# Altium PCB NZPP.PcbDoc (part 2 of 3)
Units mm, origin at the board's own origin, x right, y up, seen from the top; angles counter-clockwise.
Board outline 217.7 x 106.4 mm, 2 copper layers (Top Layer, Bottom Layer), stack 1.571 mm thick; 164 components, 125 nets, 738 pads, 4270 vias.
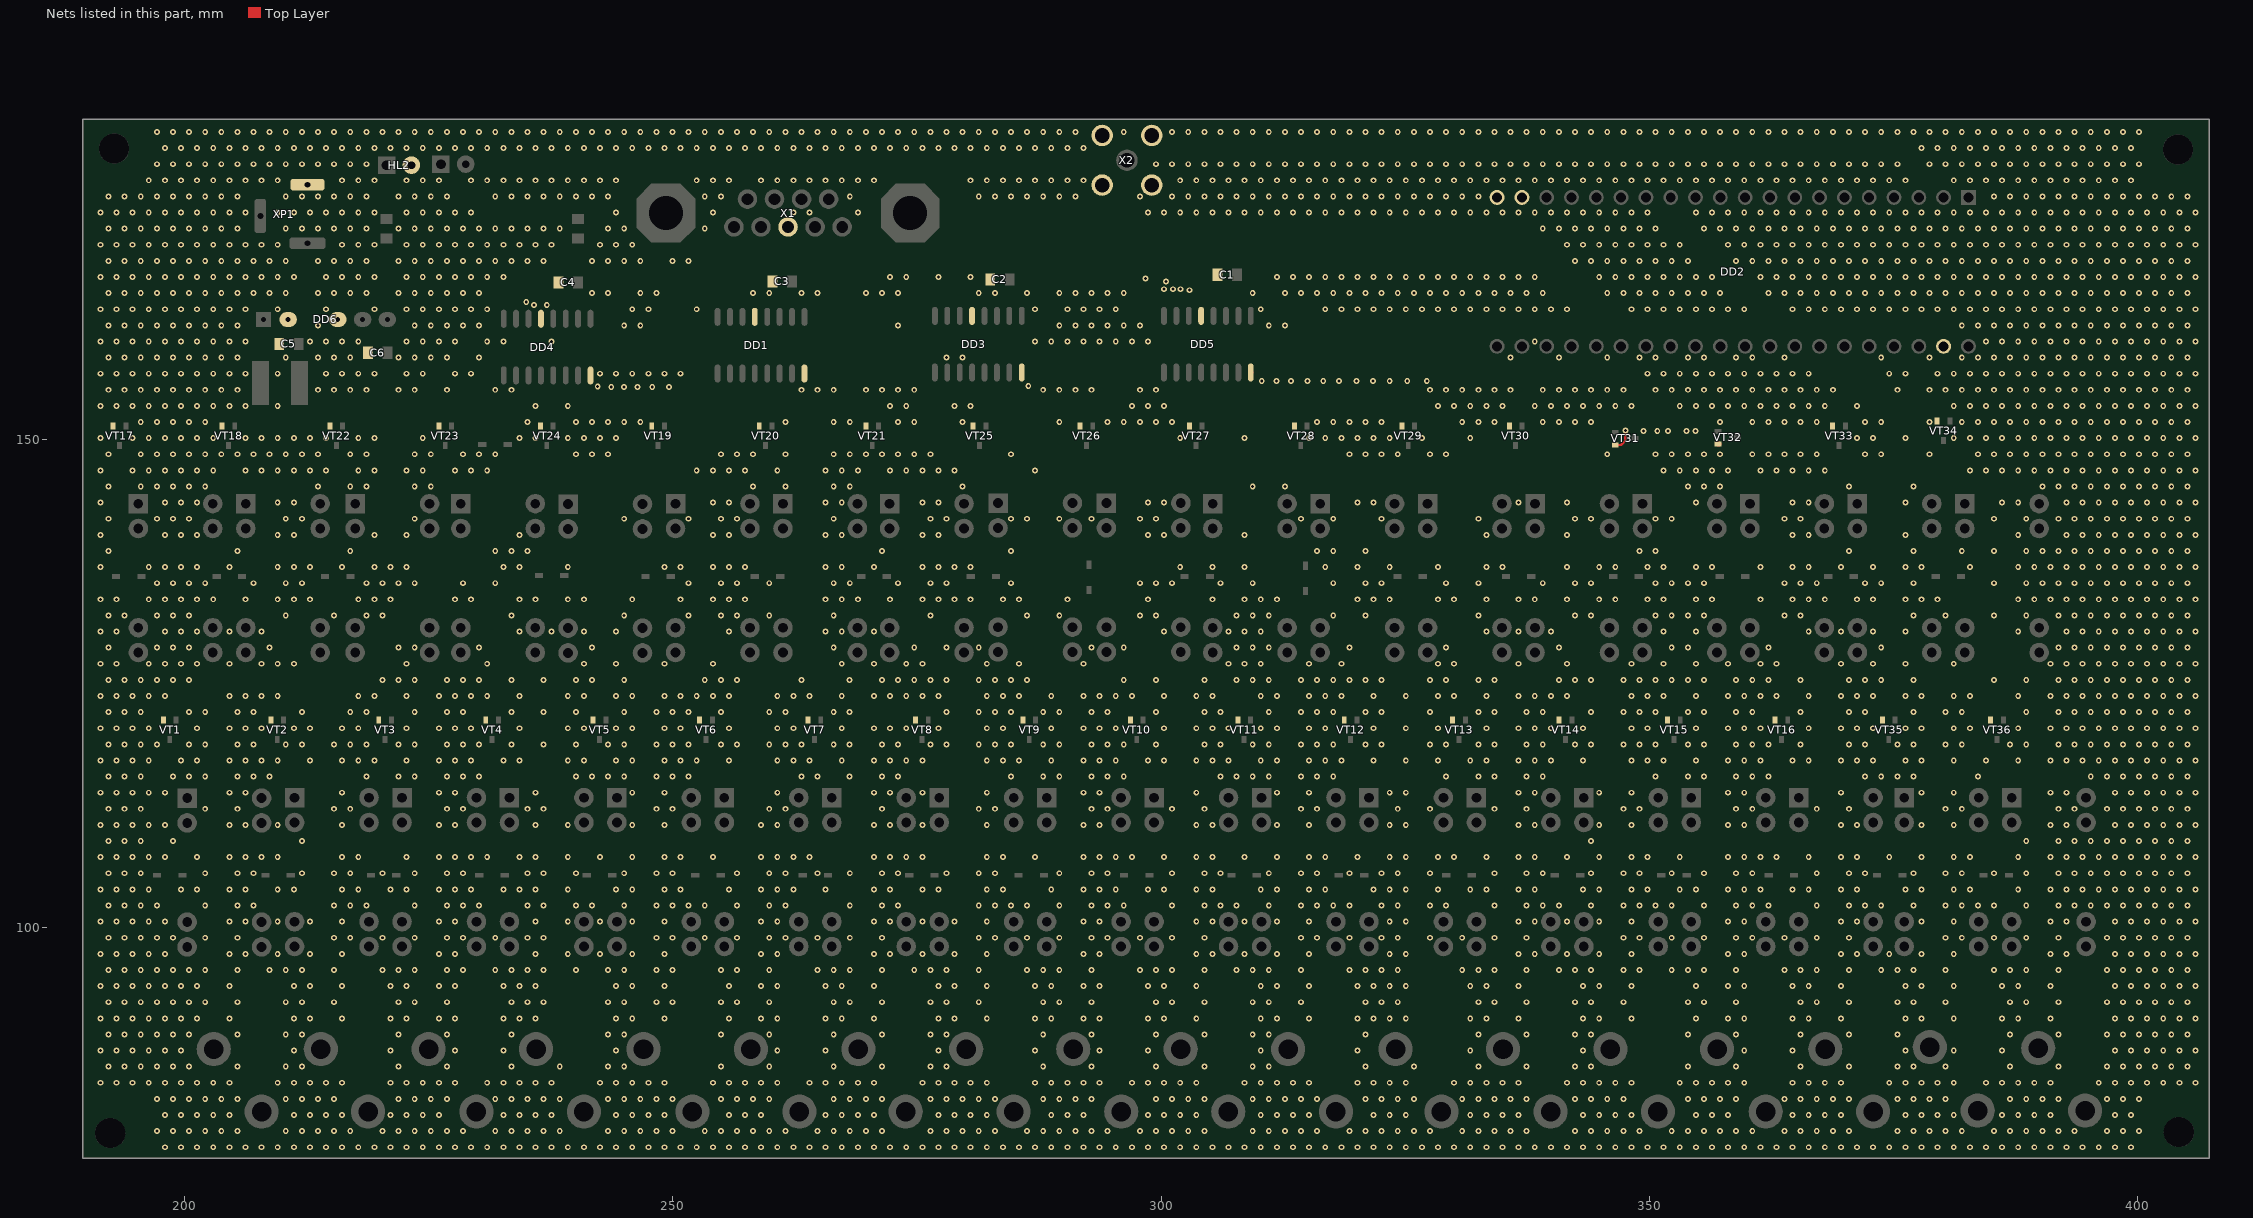
[diagram p2: the nets of this part, all layers, seen from the top]

## Via types
v1: diameter 0.6, hole 0.3, Top Layer to Bottom Layer, tented both sides, 4188 vias
v2: diameter 1.27, hole 0.711, Top Layer to Bottom Layer, tented both sides, 80 vias
v3: diameter 1.27, hole 0.711, Top Layer to Bottom Layer, 2 vias

## Nets (pads, with @x,y where several pads share a name; then routed paths per layer and width w, separated by ;. In a path a pad name is that pad's centre, name@x,y a point inside that pad or via, vN(x,y) a via of type N, cw(c..) or ccw(c..) an arc to the next point about the centre after c; other vN are vias at no path point) (continued)
GND: (continued)
  other v1: 198,77.55 199.65,77.55 201.3,77.55 202.95,77.55 204.6,77.55 206.25,77.55 207.9,77.55 209.55,77.55 211.2,77.55 212.85,77.55 214.5,77.55 216.15,77.55 217.8,77.55 219.45,77.55 221.1,77.55 222.75,77.55 224.4,77.55 226.05,77.55 227.7,77.55 229.35,77.55 231,77.55 232.65,77.55 234.3,77.55 235.95,77.55 237.6,77.55 239.25,77.55 240.9,77.55 242.55,77.55 244.2,77.55 245.85,77.55 247.5,77.55 249.15,77.55 250.8,77.55 252.45,77.55 254.1,77.55 255.75,77.55 257.4,77.55 259.05,77.55 260.7,77.55 262.35,77.55 264,77.55 265.65,77.55 267.3,77.55 268.95,77.55 270.6,77.55 272.25,77.55 273.9,77.55 275.55,77.55 277.2,77.55 278.85,77.55 280.5,77.55 282.15,77.55 283.8,77.55 285.45,77.55 287.1,77.55 288.75,77.55 290.4,77.55 292.05,77.55 293.7,77.55 295.35,77.55 297,77.55 298.65,77.55 300.3,77.55 301.95,77.55 303.6,77.55 305.25,77.55 306.9,77.55 308.55,77.55 310.2,77.55 311.85,77.55 313.5,77.55 315.15,77.55 316.8,77.55 318.45,77.55 320.1,77.55 321.75,77.55 323.4,77.55 325.05,77.55 326.7,77.55 328.35,77.55 330,77.55 331.65,77.55 333.3,77.55 334.95,77.55 336.6,77.55 338.25,77.55 339.9,77.55 341.55,77.55 343.2,77.55 344.85,77.55 346.5,77.55 348.15,77.55 349.8,77.55 351.45,77.55 353.1,77.55 354.75,77.55 356.4,77.55 358.05,77.55 359.7,77.55 361.35,77.55 363,77.55 364.65,77.55 366.3,77.55 367.95,77.55 369.6,77.55 371.25,77.55 372.9,77.55 374.55,77.55 376.2,77.55 377.85,77.55 379.5,77.55 381.15,77.55 382.8,77.55 384.45,77.55 386.1,77.55 387.75,77.55 389.4,77.55 391.05,77.55 392.7,77.55 394.35,77.55 396,77.55 397.65,77.55 399.3,77.55 197.175,79.2 198.825,79.2 200.475,79.2 202.125,79.2 203.775,79.2 205.425,79.2 210.375,79.2 212.025,79.2 213.675,79.2 215.325,79.2 216.975,79.2 220.275,79.2 221.925,79.2 223.575,79.2 225.225,79.2 226.875,79.2 228.525,79.2 231.825,79.2 233.475,79.2 235.125,79.2 236.775,79.2 238.425,79.2 243.375,79.2 245.025,79.2 246.675,79.2 248.325,79.2 249.975,79.2 253.275,79.2 254.925,79.2 256.575,79.2 258.225,79.2 259.875,79.2 261.525,79.2 264.825,79.2 266.475,79.2 268.125,79.2 269.775,79.2 271.425,79.2 276.375,79.2 278.025,79.2 279.675,79.2 281.325,79.2 282.975,79.2 286.275,79.2 287.925,79.2 289.575,79.2 291.225,79.2 292.875,79.2 294.525,79.2 297.825,79.2 299.475,79.2 301.125,79.2 302.775,79.2 304.425,79.2 309.375,79.2 311.025,79.2 312.675,79.2 314.325,79.2 315.975,79.2 319.275,79.2 320.925,79.2 322.575,79.2 324.225,79.2 325.875,79.2 327.525,79.2 330.825,79.2 332.475,79.2 334.125,79.2 335.775,79.2 337.425,79.2 342.375,79.2 344.025,79.2 345.675,79.2 347.325,79.2 348.975,79.2 352.275,79.2 353.925,79.2 355.575,79.2 357.225,79.2 358.875,79.2 360.525,79.2 363.825,79.2 365.475,79.2 367.125,79.2 368.775,79.2 370.425,79.2 375.375,79.2 377.025,79.2 378.675,79.2 380.325,79.2 381.975,79.2 385.275,79.2 386.925,79.2 388.575,79.2 390.225,79.2 391.875,79.2 393.525,79.2 396.825,79.2 398.475,79.2 400.125,79.2 198,80.85 199.65,80.85 201.3,80.85 202.95,80.85 204.6,80.85 211.2,80.85 212.85,80.85 214.5,80.85 216.15,80.85 221.1,80.85 222.75,80.85 224.4,80.85 226.05,80.85 232.65,80.85 234.3,80.85 235.95,80.85 237.6,80.85 244.2,80.85 245.85,80.85 247.5,80.85 249.15,80.85 255.75,80.85 257.4,80.85 259.05,80.85 265.65,80.85 267.3,80.85 268.95,80.85 270.6,80.85 277.2,80.85 278.85,80.85 280.5,80.85 282.15,80.85 288.75,80.85 290.4,80.85 292.05,80.85 298.65,80.85 300.3,80.85 301.95,80.85 303.6,80.85 310.2,80.85 311.85,80.85 313.5,80.85 315.15,80.85 321.75,80.85 323.4,80.85 325.05,80.85 331.65,80.85 333.3,80.85 334.95,80.85 336.6,80.85 343.2,80.85 344.85,80.85 346.5,80.85 348.15,80.85 354.75,80.85 356.4,80.85 358.05,80.85 364.65,80.85 366.3,80.85 367.95,80.85 369.6,80.85 376.2,80.85 377.85,80.85 379.5,80.85 381.15,80.85 386.1,80.85 387.75,80.85 389.4,80.85 391.05,80.85 397.65,80.85 399.3,80.85 197.175,82.5 198.825,82.5 200.475,82.5 202.125,82.5 203.775,82.5 205.425,82.5 210.375,82.5 212.025,82.5 213.675,82.5 215.325,82.5 221.925,82.5 223.575,82.5 225.225,82.5 226.875,82.5 231.825,82.5 233.475,82.5 235.125,82.5 236.775,82.5 238.425,82.5 243.375,82.5 245.025,82.5 246.675,82.5 248.325,82.5 249.975,82.5 254.925,82.5 256.575,82.5 258.225,82.5 259.875,82.5 266.475,82.5 268.125,82.5 269.775,82.5 271.425,82.5 276.375,82.5 278.025,82.5 279.675,82.5 281.325,82.5 282.975,82.5 287.925,82.5 289.575,82.5 291.225,82.5 292.875,82.5 299.475,82.5 301.125,82.5 302.775,82.5 304.425,82.5 309.375,82.5 311.025,82.5 312.675,82.5 314.325,82.5 315.975,82.5 320.925,82.5 322.575,82.5 324.225,82.5 325.875,82.5 330.825,82.5 332.475,82.5 334.125,82.5 335.775,82.5 337.425,82.5 342.375,82.5 344.025,82.5 345.675,82.5 347.325,82.5 353.925,82.5 355.575,82.5 357.225,82.5 358.875,82.5 363.825,82.5 365.475,82.5 367.125,82.5 368.775,82.5 370.425,82.5 375.375,82.5 377.025,82.5 378.675,82.5 380.325,82.5 386.925,82.5 388.575,82.5 390.225,82.5 391.875,82.5 396.825,82.5 398.475,82.5 400.125,82.5 191.4,84.15 193.05,84.15 194.7,84.15 196.35,84.15 198,84.15 199.65,84.15 201.3,84.15 202.95,84.15 204.6,84.15 209.55,84.15 211.2,84.15 212.85,84.15 214.5,84.15 216.15,84.15 221.1,84.15 222.75,84.15 224.4,84.15 226.05,84.15 227.7,84.15 231,84.15 232.65,84.15 234.3,84.15 235.95,84.15 237.6,84.15 242.55,84.15 244.2,84.15 245.85,84.15 247.5,84.15 249.15,84.15 254.1,84.15 255.75,84.15 257.4,84.15 259.05,84.15 260.7,84.15 264,84.15 265.65,84.15 267.3,84.15 268.95,84.15 270.6,84.15 275.55,84.15 277.2,84.15 278.85,84.15 280.5,84.15 282.15,84.15 287.1,84.15 288.75,84.15 290.4,84.15 292.05,84.15 293.7,84.15 297,84.15 298.65,84.15 300.3,84.15 301.95,84.15 303.6,84.15 308.55,84.15 310.2,84.15 311.85,84.15 313.5,84.15 315.15,84.15 320.1,84.15 321.75,84.15 323.4,84.15 325.05,84.15 330,84.15 331.65,84.15 333.3,84.15 334.95,84.15 336.6,84.15 341.55,84.15 343.2,84.15 344.85,84.15 346.5,84.15 348.15,84.15 353.1,84.15 354.75,84.15 356.4,84.15 358.05,84.15 359.7,84.15 364.65,84.15 366.3,84.15 367.95,84.15 369.6,84.15 374.55,84.15 376.2,84.15 377.85,84.15 379.5,84.15 381.15,84.15 384.45,84.15 386.1,84.15 387.75,84.15 389.4,84.15 391.05,84.15 396,84.15 397.65,84.15 399.3,84.15 400.95,84.15 402.6,84.15 404.25,84.15 405.9,84.15 192.225,85.8 193.875,85.8 195.525,85.8 197.175,85.8 198.825,85.8 200.475,85.8 205.425,85.8 210.375,85.8 212.025,85.8 221.925,85.8 226.875,85.8 233.475,85.8 238.425,85.8 243.375,85.8 245.025,85.8 254.925,85.8 259.875,85.8 266.475,85.8 271.425,85.8 276.375,85.8 278.025,85.8 287.925,85.8 292.875,85.8 299.475,85.8 304.425,85.8 309.375,85.8 311.025,85.8 320.925,85.8 325.875,85.8 332.475,85.8 337.425,85.8 342.375,85.8 344.025,85.8 353.925,85.8 358.875,85.8 365.475,85.8 370.425,85.8 375.375,85.8 377.025,85.8 380.325,85.8 386.925,85.8 391.875,85.8 396.825,85.8 398.475,85.8 400.125,85.8 401.775,85.8 403.425,85.8 405.075,85.8 191.4,87.45 193.05,87.45 194.7,87.45 196.35,87.45 198,87.45 199.65,87.45 211.2,87.45 221.1,87.45 227.7,87.45 232.65,87.45 244.2,87.45 260.7,87.45 265.65,87.45 277.2,87.45 287.1,87.45 293.7,87.45 298.65,87.45 310.2,87.45 320.1,87.45 331.65,87.45 343.2,87.45 359.7,87.45 364.65,87.45 376.2,87.45 381.15,87.45 386.1,87.45 397.65,87.45 399.3,87.45 400.95,87.45 402.6,87.45 404.25,87.45 405.9,87.45 192.225,89.1 193.875,89.1 195.525,89.1 197.175,89.1 198.825,89.1 200.475,89.1 205.425,89.1 210.375,89.1 212.025,89.1 221.925,89.1 226.875,89.1 233.475,89.1 243.375,89.1 245.025,89.1 254.925,89.1 259.875,89.1 266.475,89.1 271.425,89.1 276.375,89.1 278.025,89.1 287.925,89.1 292.875,89.1 299.475,89.1 304.425,89.1 309.375,89.1 311.025,89.1 320.925,89.1 332.475,89.1 337.425,89.1 342.375,89.1 344.025,89.1 353.925,89.1 358.875,89.1 365.475,89.1 370.425,89.1 375.375,89.1 386.925,89.1 391.875,89.1 396.825,89.1 398.475,89.1 400.125,89.1 401.775,89.1 403.425,89.1 405.075,89.1 191.4,90.75 193.05,90.75 194.7,90.75 196.35,90.75 198,90.75 199.65,90.75 201.3,90.75 204.6,90.75 211.2,90.75 212.85,90.75 216.15,90.75 221.1,90.75 222.75,90.75 226.05,90.75 227.7,90.75 232.65,90.75 234.3,90.75 235.95,90.75 244.2,90.75 245.85,90.75 249.15,90.75 255.75,90.75 259.05,90.75 260.7,90.75 265.65,90.75 267.3,90.75 270.6,90.75 277.2,90.75 278.85,90.75 282.15,90.75 287.1,90.75 288.75,90.75 292.05,90.75 293.7,90.75 298.65,90.75 300.3,90.75 303.6,90.75 310.2,90.75 311.85,90.75 315.15,90.75 320.1,90.75 321.75,90.75 323.4,90.75 325.05,90.75 331.65,90.75 333.3,90.75 336.6,90.75 343.2,90.75 344.85,90.75 348.15,90.75 354.75,90.75 358.05,90.75 359.7,90.75 364.65,90.75 366.3,90.75 369.6,90.75 376.2,90.75 377.85,90.75 381.15,90.75 386.1,90.75 387.75,90.75 391.05,90.75 397.65,90.75 399.3,90.75 400.95,90.75 402.6,90.75 404.25,90.75 405.9,90.75 192.225,92.4 193.875,92.4 195.525,92.4 197.175,92.4 198.825,92.4 200.475,92.4 202.125,92.4 205.425,92.4 210.375,92.4 212.025,92.4 215.325,92.4 221.925,92.4 223.575,92.4 226.875,92.4 233.475,92.4 235.125,92.4 236.775,92.4 243.375,92.4 245.025,92.4 248.325,92.4 249.975,92.4 254.925,92.4 256.575,92.4 259.875,92.4 266.475,92.4 268.125,92.4 271.425,92.4 276.375,92.4 278.025,92.4 281.325,92.4 287.925,92.4 289.575,92.4 292.875,92.4 299.475,92.4 301.125,92.4 304.425,92.4 309.375,92.4 311.025,92.4 314.325,92.4 320.925,92.4 322.575,92.4 324.225,92.4 332.475,92.4 334.125,92.4 337.425,92.4 342.375,92.4 344.025,92.4 347.325,92.4 353.925,92.4 355.575,92.4 358.875,92.4 365.475,92.4 367.125,92.4 370.425,92.4 375.375,92.4 377.025,92.4 380.325,92.4 386.925,92.4 388.575,92.4 391.875,92.4 396.825,92.4 398.475,92.4 400.125,92.4 401.775,92.4 403.425,92.4 405.075,92.4 191.4,94.05 193.05,94.05 194.7,94.05 196.35,94.05 198,94.05 199.65,94.05 201.3,94.05 204.6,94.05 211.2,94.05 212.85,94.05 216.15,94.05 221.1,94.05 222.75,94.05 226.05,94.05 227.7,94.05 232.65,94.05 234.3,94.05 235.95,94.05 244.2,94.05 245.85,94.05 249.15,94.05 255.75,94.05 259.05,94.05 260.7,94.05 265.65,94.05 267.3,94.05 270.6,94.05 277.2,94.05 278.85,94.05 282.15,94.05 287.1,94.05 288.75,94.05 292.05,94.05 293.7,94.05 298.65,94.05 300.3,94.05 303.6,94.05 310.2,94.05 311.85,94.05 315.15,94.05 320.1,94.05 321.75,94.05 323.4,94.05 325.05,94.05 331.65,94.05 333.3,94.05 336.6,94.05 343.2,94.05 344.85,94.05 348.15,94.05 354.75,94.05 358.05,94.05 359.7,94.05 364.65,94.05 366.3,94.05 369.6,94.05 376.2,94.05 377.85,94.05 381.15,94.05 386.1,94.05 387.75,94.05 391.05,94.05 397.65,94.05 399.3,94.05 400.95,94.05 402.6,94.05 404.25,94.05 405.9,94.05 192.225,95.7 193.875,95.7 195.525,95.7 197.175,95.7 198.825,95.7 200.475,95.7 202.125,95.7 205.425,95.7 208.725,95.7 210.375,95.7 212.025,95.7 215.325,95.7 220.275,95.7 221.925,95.7 223.575,95.7 226.875,95.7 228.525,95.7 231.825,95.7 233.475,95.7 235.125,95.7 236.775,95.7 240.075,95.7 243.375,95.7 245.025,95.7 248.325,95.7 249.975,95.7 254.925,95.7 256.575,95.7 259.875,95.7 264.825,95.7 266.475,95.7 268.125,95.7 271.425,95.7 274.725,95.7 276.375,95.7 278.025,95.7 281.325,95.7 286.275,95.7 287.925,95.7 289.575,95.7 292.875,95.7 297.825,95.7 299.475,95.7 301.125,95.7 304.425,95.7 307.725,95.7 309.375,95.7 311.025,95.7 314.325,95.7 319.275,95.7 320.925,95.7 322.575,95.7 324.225,95.7 330.825,95.7 332.475,95.7 334.125,95.7 337.425,95.7 340.725,95.7 342.375,95.7 344.025,95.7 347.325,95.7 348.975,95.7 352.275,95.7 353.925,95.7 355.575,95.7 358.875,95.7 363.825,95.7 365.475,95.7 367.125,95.7 370.425,95.7 373.725,95.7 375.375,95.7 377.025,95.7 380.325,95.7 385.275,95.7 386.925,95.7 388.575,95.7 391.875,95.7 396.825,95.7 398.475,95.7 400.125,95.7 401.775,95.7 403.425,95.7 405.075,95.7 191.4,97.35 193.05,97.35 194.7,97.35 196.35,97.35 198,97.35 204.6,97.35 206.25,97.35 209.55,97.35 212.85,97.35 216.15,97.35 226.05,97.35 227.7,97.35 235.95,97.35 239.25,97.35 242.55,97.35 245.85,97.35 249.15,97.35 259.05,97.35 260.7,97.35 270.6,97.35 272.25,97.35 275.55,97.35 278.85,97.35 282.15,97.35 292.05,97.35 293.7,97.35 303.6,97.35 305.25,97.35 308.55,97.35 311.85,97.35 315.15,97.35 323.4,97.35 325.05,97.35 336.6,97.35 338.25,97.35 341.55,97.35 344.85,97.35 348.15,97.35 358.05,97.35 359.7,97.35 369.6,97.35 371.25,97.35 374.55,97.35 377.85,97.35 381.15,97.35 391.05,97.35 392.7,97.35 397.65,97.35 399.3,97.35 400.95,97.35 402.6,97.35 404.25,97.35 405.9,97.35 192.225,99 193.875,99 195.525,99 197.175,99 198.825,99 202.125,99 205.425,99 215.325,99 216.975,99 220.275,99 223.575,99 226.875,99 228.525,99 231.825,99 235.125,99 236.775,99 248.325,99 249.975,99 253.275,99 256.575,99 259.875,99 261.525,99 264.825,99 268.125,99 271.425,99 281.325,99 282.975,99 286.275,99 289.575,99 292.875,99 294.525,99 297.825,99 301.125,99 304.425,99 314.325,99 315.975,99 319.275,99 322.575,99 324.225,99 327.525,99 330.825,99 334.125,99 337.425,99 347.325,99 348.975,99 352.275,99 355.575,99 358.875,99 360.525,99 363.825,99 367.125,99 370.425,99 380.325,99 381.975,99 385.275,99 388.575,99 391.875,99 396.825,99 398.475,99 400.125,99 401.775,99 403.425,99 405.075,99 191.4,100.65 193.05,100.65 194.7,100.65 196.35,100.65 198,100.65 204.6,100.65 206.25,100.65 209.55,100.65 212.85,100.65 216.15,100.65 226.05,100.65 227.7,100.65 235.95,100.65 239.25,100.65 242.55,100.65 245.85,100.65 249.15,100.65 259.05,100.65 260.7,100.65 270.6,100.65 272.25,100.65 275.55,100.65 278.85,100.65 282.15,100.65 292.05,100.65 293.7,100.65 303.6,100.65 305.25,100.65 308.55,100.65 311.85,100.65 315.15,100.65 323.4,100.65 325.05,100.65 336.6,100.65 338.25,100.65 341.55,100.65 344.85,100.65 348.15,100.65 358.05,100.65 359.7,100.65 369.6,100.65 371.25,100.65 377.85,100.65 381.15,100.65 391.05,100.65 392.7,100.65 397.65,100.65 399.3,100.65 400.95,100.65 402.6,100.65 404.25,100.65 405.9,100.65 192.225,102.3 193.875,102.3 195.525,102.3 197.175,102.3 202.125,102.3 205.425,102.3 207.075,102.3 215.325,102.3 216.975,102.3 218.625,102.3 223.575,102.3 226.875,102.3 228.525,102.3 230.175,102.3 235.125,102.3 236.775,102.3 240.075,102.3 241.725,102.3 245.025,102.3 248.325,102.3 249.975,102.3 251.625,102.3 253.275,102.3 256.575,102.3 259.875,102.3 261.525,102.3 268.125,102.3 271.425,102.3 273.075,102.3 281.325,102.3 282.975,102.3 284.625,102.3 286.275,102.3 289.575,102.3 292.875,102.3 294.525,102.3 296.175,102.3 301.125,102.3 304.425,102.3 306.075,102.3 307.725,102.3 311.025,102.3 314.325,102.3 315.975,102.3 317.625,102.3 319.275,102.3 322.575,102.3 324.225,102.3 327.525,102.3 329.175,102.3 334.125,102.3 337.425,102.3 339.075,102.3 340.725,102.3 344.025,102.3 347.325,102.3 348.975,102.3 350.625,102.3 352.275,102.3 355.575,102.3 358.875,102.3 360.525,102.3 362.175,102.3 367.125,102.3 370.425,102.3 372.075,102.3 373.725,102.3 377.025,102.3 380.325,102.3 381.975,102.3 383.625,102.3 385.275,102.3 388.575,102.3 391.875,102.3 393.525,102.3 395.175,102.3 396.825,102.3 398.475,102.3 400.125,102.3 401.775,102.3 403.425,102.3 405.075,102.3 191.4,103.95 193.05,103.95 194.7,103.95 196.35,103.95 199.65,103.95 201.3,103.95 204.6,103.95 206.25,103.95 209.55,103.95 211.2,103.95 216.15,103.95 217.8,103.95 221.1,103.95 222.75,103.95 226.05,103.95 227.7,103.95 229.35,103.95 232.65,103.95 234.3,103.95 235.95,103.95 239.25,103.95 244.2,103.95 245.85,103.95 249.15,103.95 250.8,103.95 255.75,103.95 259.05,103.95 260.7,103.95 262.35,103.95 265.65,103.95 270.6,103.95 272.25,103.95 275.55,103.95 277.2,103.95 282.15,103.95 283.8,103.95 288.75,103.95 292.05,103.95 293.7,103.95 295.35,103.95 298.65,103.95 300.3,103.95 303.6,103.95 305.25,103.95 310.2,103.95 311.85,103.95 315.15,103.95 316.8,103.95 321.75,103.95 323.4,103.95 325.05,103.95 328.35,103.95 331.65,103.95 333.3,103.95 336.6,103.95 338.25,103.95 343.2,103.95 344.85,103.95 348.15,103.95 349.8,103.95 353.1,103.95 354.75,103.95 358.05,103.95 359.7,103.95 361.35,103.95 364.65,103.95 366.3,103.95 369.6,103.95 371.25,103.95 376.2,103.95 377.85,103.95 381.15,103.95 382.8,103.95 387.75,103.95 391.05,103.95 392.7,103.95 394.35,103.95 396,103.95 397.65,103.95 399.3,103.95 400.95,103.95 402.6,103.95 404.25,103.95 405.9,103.95 192.225,105.6 193.875,105.6 195.525,105.6 202.125,105.6 205.425,105.6 207.075,105.6 212.025,105.6 215.325,105.6 216.975,105.6 220.275,105.6 223.575,105.6 226.875,105.6 228.525,105.6 235.125,105.6 236.775,105.6 240.075,105.6 245.025,105.6 248.325,105.6 249.975,105.6 256.575,105.6 259.875,105.6 261.525,105.6 264.825,105.6 268.125,105.6 271.425,105.6 273.075,105.6 278.025,105.6 281.325,105.6 282.975,105.6 289.575,105.6 292.875,105.6 294.525,105.6 301.125,105.6 304.425,105.6 306.075,105.6 311.025,105.6 314.325,105.6 315.975,105.6 319.275,105.6 322.575,105.6 324.225,105.6 327.525,105.6 334.125,105.6 337.425,105.6 339.075,105.6 344.025,105.6 347.325,105.6 348.975,105.6 352.275,105.6 355.575,105.6 358.875,105.6 360.525,105.6 367.125,105.6 370.425,105.6 372.075,105.6 377.025,105.6 380.325,105.6 381.975,105.6 385.275,105.6 388.575,105.6 391.875,105.6 393.525,105.6 395.175,105.6 396.825,105.6 398.475,105.6 400.125,105.6 401.775,105.6 403.425,105.6 405.075,105.6 191.4,107.25 193.05,107.25 194.7,107.25 196.35,107.25 198,107.25 201.3,107.25 204.6,107.25 206.25,107.25 207.9,107.25 209.55,107.25 216.15,107.25 217.8,107.25 222.75,107.25 226.05,107.25 227.7,107.25 229.35,107.25 231,107.25 234.3,107.25 235.95,107.25 239.25,107.25 242.55,107.25 245.85,107.25 249.15,107.25 250.8,107.25 254.1,107.25 259.05,107.25 260.7,107.25 262.35,107.25 264,107.25 270.6,107.25 272.25,107.25 273.9,107.25 275.55,107.25 282.15,107.25 283.8,107.25 287.1,107.25 292.05,107.25 293.7,107.25 295.35,107.25 297,107.25 300.3,107.25 303.6,107.25 305.25,107.25 308.55,107.25 311.85,107.25 315.15,107.25 316.8,107.25 320.1,107.25 323.4,107.25 325.05,107.25 328.35,107.25 330,107.25 333.3,107.25 336.6,107.25 338.25,107.25 341.55,107.25 344.85,107.25 348.15,107.25 349.8,107.25 353.1,107.25 358.05,107.25 359.7,107.25 361.35,107.25 363,107.25 366.3,107.25 369.6,107.25 371.25,107.25 374.55,107.25 377.85,107.25 381.15,107.25 382.8,107.25 387.75,107.25 391.05,107.25 392.7,107.25 394.35,107.25 396,107.25 397.65,107.25 399.3,107.25 400.95,107.25 402.6,107.25 404.25,107.25 405.9,107.25 192.225,108.9 193.875,108.9 195.525,108.9 198.825,108.9 212.025,108.9 344.025,108.9 388.575,108.9 391.875,108.9 393.525,108.9 395.175,108.9 396.825,108.9 398.475,108.9 400.125,108.9 401.775,108.9 403.425,108.9 405.075,108.9 191.4,110.55 193.05,110.55 194.7,110.55 196.35,110.55 198,110.55 204.6,110.55 206.25,110.55 209.55,110.55 216.15,110.55 226.05,110.55 227.7,110.55 235.95,110.55 239.25,110.55 245.85,110.55 249.15,110.55 259.05,110.55 260.7,110.55 270.6,110.55 272.25,110.55 275.55,110.55 282.15,110.55 292.05,110.55 293.7,110.55 303.6,110.55 305.25,110.55 311.85,110.55 315.15,110.55 323.4,110.55 325.05,110.55 336.6,110.55 338.25,110.55 344.85,110.55 348.15,110.55 358.05,110.55 359.7,110.55 369.6,110.55 371.25,110.55 377.85,110.55 381.15,110.55 391.05,110.55 392.7,110.55 397.65,110.55 399.3,110.55 400.95,110.55 402.6,110.55 404.25,110.55 405.9,110.55 192.225,112.2 193.875,112.2 195.525,112.2 202.125,112.2 205.425,112.2 215.325,112.2 216.975,112.2 226.875,112.2 228.525,112.2 235.125,112.2 236.775,112.2 248.325,112.2 249.975,112.2 259.875,112.2 261.525,112.2 271.425,112.2 281.325,112.2 282.975,112.2 292.875,112.2 294.525,112.2 301.125,112.2 304.425,112.2 314.325,112.2 315.975,112.2 324.225,112.2 327.525,112.2 334.125,112.2 337.425,112.2 347.325,112.2 348.975,112.2 358.875,112.2 360.525,112.2 367.125,112.2 370.425,112.2 380.325,112.2 381.975,112.2 391.875,112.2 393.525,112.2 396.825,112.2 398.475,112.2 400.125,112.2 401.775,112.2 403.425,112.2 405.075,112.2 191.4,113.85 193.05,113.85 194.7,113.85 196.35,113.85 198,113.85 204.6,113.85 206.25,113.85 216.15,113.85 226.05,113.85 227.7,113.85 235.95,113.85 245.85,113.85 249.15,113.85 260.7,113.85 270.6,113.85 272.25,113.85 275.55,113.85 282.15,113.85 292.05,113.85 293.7,113.85 303.6,113.85 311.85,113.85 315.15,113.85 323.4,113.85 325.05,113.85 336.6,113.85 338.25,113.85 344.85,113.85 348.15,113.85 358.05,113.85 359.7,113.85 369.6,113.85 377.85,113.85 381.15,113.85 391.05,113.85 392.7,113.85 397.65,113.85 399.3,113.85 400.95,113.85 402.6,113.85 404.25,113.85 405.9,113.85 192.225,115.5 193.875,115.5 195.525,115.5 198.825,115.5 200.475,115.5 202.125,115.5 205.425,115.5 207.075,115.5 208.725,115.5 218.625,115.5 221.925,115.5 223.575,115.5 226.875,115.5 228.525,115.5 230.175,115.5 240.075,115.5 241.725,115.5 243.375,115.5 245.025,115.5 248.325,115.5 